# KiCad board IotFan.kicad_pcb (continued)
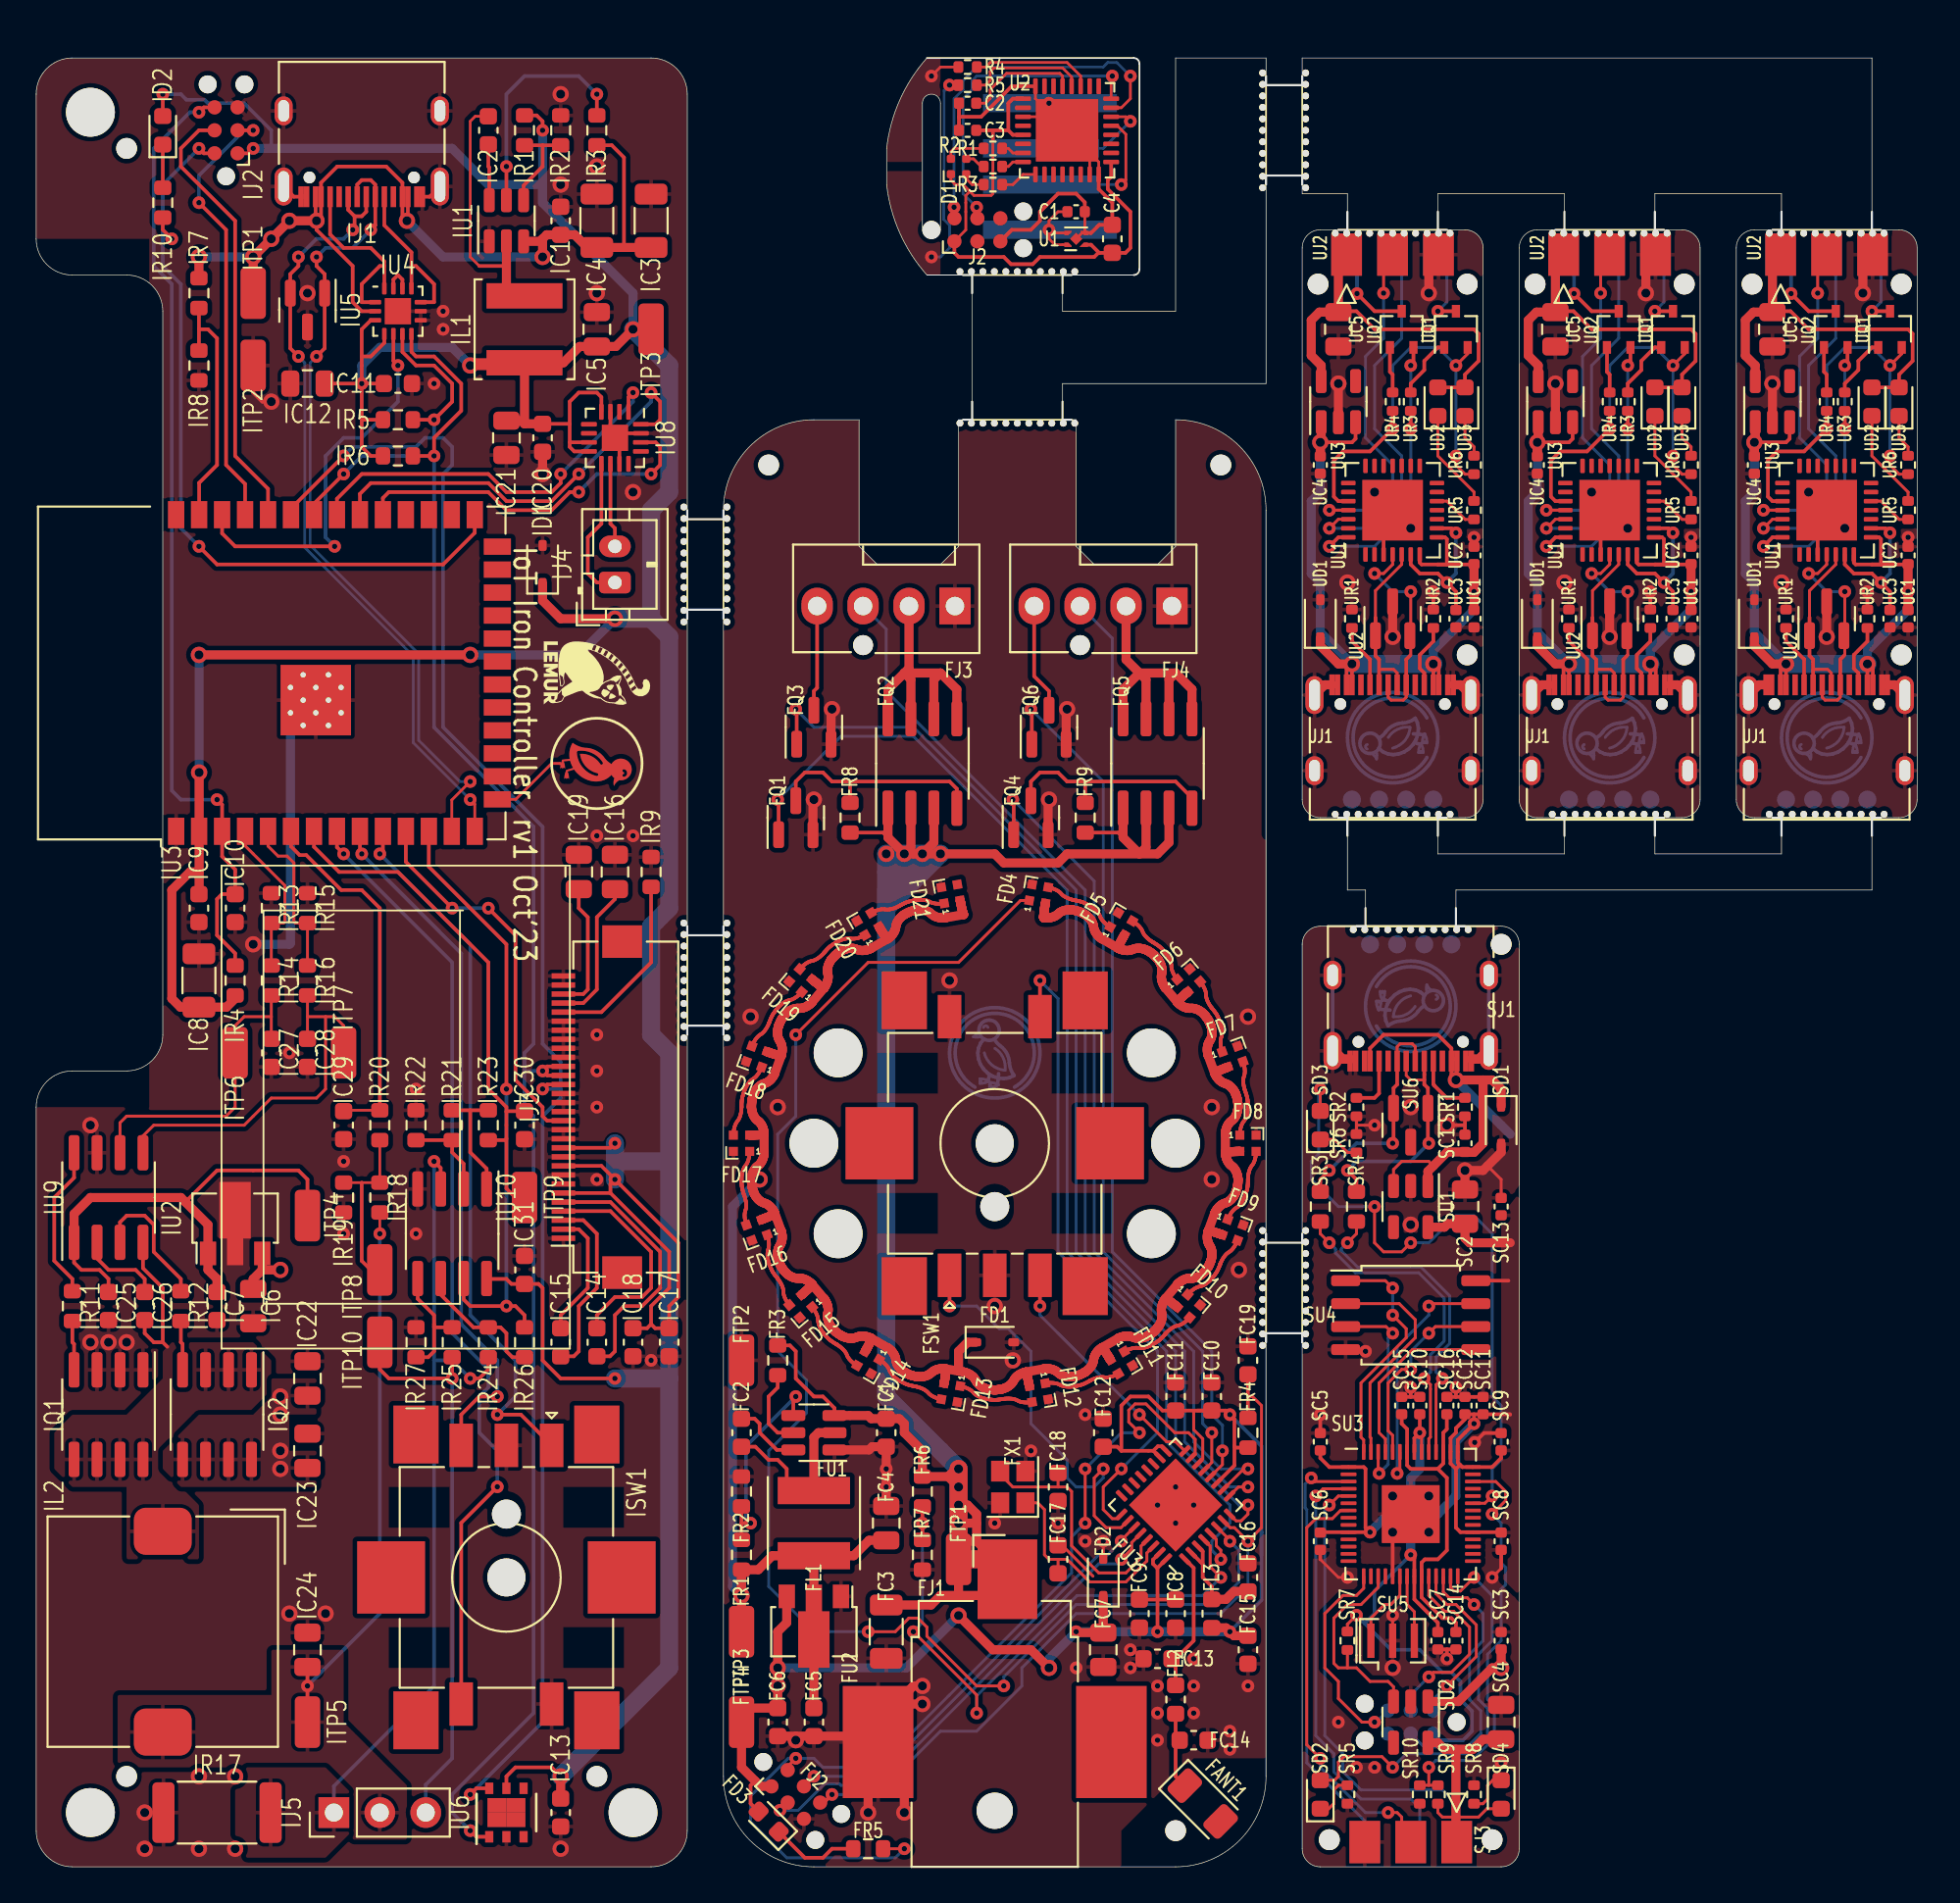
[diagram p0: board, top side]
## Library data of the parts (continued)
UC1 UC1#2 UC1#3 = -: edg_part: CL05A105KA5NQNC (Samsung Electro-Mechanics); edg_path: usbconv.regin_cap0.cap; edg_refdes: UC1; edg_short_path: usbconv.regin_cap0
UC2 UC2#2 UC2#3 = -: edg_part: CL05B104KO5NNNC (Samsung Electro-Mechanics); edg_path: usbconv.regin_cap1.cap; edg_refdes: UC2; edg_short_path: usbconv.regin_cap1
UC3 UC3#2 UC3#3 = -: edg_part: CL05A105KA5NQNC (Samsung Electro-Mechanics); edg_path: usbconv.vdd_cap.cap; edg_refdes: UC3; edg_short_path: usbconv.vdd_cap
UC4 UC4#2 UC4#3 = -: edg_part: CL05A105KA5NQNC (Samsung Electro-Mechanics); edg_path: reg_3v3.in_cap.cap; edg_refdes: UC4; edg_short_path: reg_3v3.in_cap
UC5 UC5#2 UC5#3 = -: edg_part: CL21A475KAQNNNE (Samsung Electro-Mechanics); edg_path: reg_3v3.out_cap.cap; edg_refdes: UC5; edg_short_path: reg_3v3.out_cap
UD1 UD1#2 UD1#3 = -: edg_part: BZT52-B5V6S_R1_00001 (PANJIT International); edg_path: vusb_protect.diode; edg_refdes: UD1; edg_short_path: vusb_protect
UD2 UD2#2 UD2#3 = -: edg_part: C2290 (Hubei KENTO Elec); edg_path: led.package; edg_refdes: UD2; edg_short_path: led.package
UD3 UD3#2 UD3#3 = -: edg_part: KT-0603R (Hubei KENTO Elec); edg_path: led_en.package; edg_refdes: UD3; edg_short_path: led_en.package
UH1 UH1#2 UH1#3 = -: edg_path: jlc_th.th1; edg_refdes: UH1; edg_short_path: jlc_th.th1
UH2 UH2#2 UH2#3 = -: edg_path: jlc_th.th2; edg_refdes: UH2; edg_short_path: jlc_th.th2
UH3 UH3#2 UH3#3 = -: edg_path: jlc_th.th3; edg_refdes: UH3; edg_short_path: jlc_th.th3
UJ1 UJ1#2 UJ1#3 = -: edg_path: usb_uart.conn; edg_refdes: UJ1; edg_short_path: usb_uart.conn
UJ2 UJ2#2 UJ2#3 = -: edg_path: out.conn; edg_refdes: UJ2; edg_short_path: out
UQ1 UQ1#2 UQ1#3 = -: edg_part: BC846BW 1B (CBI); edg_path: auto.q_en; edg_refdes: UQ1; edg_short_path: auto.q_en
UQ2 UQ2#2 UQ2#3 = -: edg_part: BC846BW 1B (CBI); edg_path: auto.q_boot; edg_refdes: UQ2; edg_short_path: auto.q_boot
UR1 UR1#2 UR1#3 = -: edg_part: 0402WGF5101TCE (UNI-ROYAL(Uniroyal Elec)); edg_path: usb_uart.cc_pull.cc1.res; edg_refdes: UR1; edg_short_path: usb_uart.cc_pull.cc1
UR2 UR2#2 UR2#3 = -: edg_part: 0402WGF5101TCE (UNI-ROYAL(Uniroyal Elec)); edg_path: usb_uart.cc_pull.cc2.res; edg_refdes: UR2; edg_short_path: usb_uart.cc_pull.cc2
UR3 UR3#2 UR3#3 = -: edg_part: 0402WGF1002TCE (UNI-ROYAL(Uniroyal Elec)); edg_path: auto.dtr_res; edg_refdes: UR3; edg_short_path: auto.dtr_res
UR4 UR4#2 UR4#3 = -: edg_part: 0402WGF1002TCE (UNI-ROYAL(Uniroyal Elec)); edg_path: auto.rts_res; edg_refdes: UR4; edg_short_path: auto.rts_res
UR5 UR5#2 UR5#3 = -: edg_part: 0402WGF2401TCE (UNI-ROYAL(Uniroyal Elec)); edg_path: led.res; edg_refdes: UR5; edg_short_path: led.res
UR6 UR6#2 UR6#3 = -: edg_part: 0402WGF2401TCE (UNI-ROYAL(Uniroyal Elec)); edg_path: led_en.res; edg_refdes: UR6; edg_short_path: led_en.res
UU1 UU1#2 UU1#3 = -: edg_path: usbconv.ic; edg_refdes: UU1; edg_short_path: usbconv.ic
UU2 UU2#2 UU2#3 = -: edg_path: usb_esd; edg_refdes: UU2; edg_short_path: usb_esd
UU3 UU3#2 UU3#3 = -: edg_path: reg_3v3.ic; edg_refdes: UU3; edg_short_path: reg_3v3.ic
UU4 UU4#2-UU4#5 = -: edg_path: duck; edg_refdes: UU4; edg_short_path: duck
UU5 UU5#2-UU5#6 = -: edg_path: lemur; edg_refdes: UU5; edg_short_path: lemur
UU6 UU6#2-UU6#4 = -: edg_path: id; edg_refdes: UU6; edg_short_path: id

## Footprints (pads in the part's own frame, mm; a bottom-side part is the same pattern mirrored in y, then rotated)
BarrelJack_CUI_PJ-036AH-SMT_Horizontal
  round 2 hole 2 unplated: (0,-7)
  rect 3.3x4.4 smd: 1(0.7,5.8)
  rect 3.9x6.2 smd: 2(-6.45,-3.2) 3(6.45,-3.2)
C_0402_1005Metric
  rrect 0.56x0.62 smd: 1(-0.48,0) 2(0.48,0)
C_0603_1608Metric
  rrect 0.9x0.95 smd: 1(-0.775,0) 2(0.775,0)
C_0805_2012Metric
  rrect 1x1.45 smd: 1(-0.95,0) 2(0.95,0)
C_1206_3216Metric
  rrect 1.15x1.8 smd: 1(-1.475,0) 2(1.475,0)
Crystal_SMD_2520-4Pin_2.5x2.0mm
  rect 1.15x1 smd: 1(-0.875,-0.7) 2(0.875,-0.7) 3(0.875,0.7) 4(-0.875,0.7)
D_1206_3216Metric
  rrect 1.25x1.75 smd: 1(-1.4,0) 2(1.4,0)
D_SOD-323
  rrect 0.6x0.45 smd: 1(-1.05,0) 2(1.05,0)
ESP32-S3-WROOM-1
  rect 0.9x0.9 smd: (-2.9,-1.06) (-2.9,-2.46) (-2.9,-3.86) (-1.5,-1.06) (-1.5,-2.46) (-1.5,-3.86) (-0.1,-1.06) (-0.1,-2.46) (-0.1,-3.86)
  rect 1.5x0.9 smd: 1(-8.75,5.26) 2(-8.75,3.99) 3(-8.75,2.72) 4(-8.75,1.45) 5(-8.75,0.18) 6(-8.75,-1.09) 7(-8.75,-2.36) 8(-8.75,-3.63) 9(-8.75,-4.9) 10(-8.75,-6.17) 11(-8.75,-7.44) 12(-8.75,-8.71) 13(-8.75,-9.98) 14(-8.75,-11.25) 27(8.75,-11.25) 28(8.75,-9.98) 29(8.75,-8.71) 30(8.75,-7.44) 31(8.75,-6.17) 32(8.75,-4.9) 33(8.75,-3.63) 34(8.75,-2.36) 35(8.75,-1.09) 36(8.75,0.18) 37(8.75,1.45) 38(8.75,2.72) 39(8.75,3.99) 40(8.75,5.26)
  rect 0.9x1.5 smd: 15(-6.985,-12.5) 16(-5.715,-12.5) 17(-4.445,-12.5) 18(-3.175,-12.5) 19(-1.905,-12.5) 20(-0.635,-12.5) 21(0.635,-12.5) 22(1.905,-12.5) 23(3.175,-12.5) 24(4.445,-12.5) 25(5.715,-12.5) 26(6.985,-12.5)
  round 0.6 hole 0.3: 41(-2.9,-1.76) 41(-2.9,-3.16) 41(-2.2,-1.06) 41(-2.2,-2.46) 41(-2.2,-3.86) 41(-1.5,-1.76) 41(-1.5,-3.16) 41(-0.8,-1.06) 41(-0.8,-2.46) 41(-0.8,-3.86) 41(-0.1,-1.76) 41(-0.1,-3.16)
  rect 3.9x3.9 smd: 41(-1.5,-2.46)
FanPinHeader_1x04_P2.54mm_Vertical
  round 1.1 hole 1.1 unplated: (5.08,2.16)
  rect 1.73x2.03 hole 1.02: 1(0,0)
  oval 1.73x2.03 hole 1.02: 2(2.54,0) 3(5.08,0) 4(7.62,0)
HalfMouseBites_Recessed
  round 0.38 hole 0.38 unplated: (-3.175,1.19) (-2.54,1.19) (-1.905,1.19) (-1.27,1.19) (-0.635,1.19) (0,1.19) (0.635,1.19) (1.27,1.19) (1.905,1.19) (2.54,1.19) (3.175,1.19)
Hirose_FH12-30S-0.5SH_1x30-1MP_P0.50mm_Horizontal
  rect 0.3x1.3 smd: 1(-7.25,1.85) 2(-6.75,1.85) 3(-6.25,1.85) 4(-5.75,1.85) 5(-5.25,1.85) 6(-4.75,1.85) 7(-4.25,1.85) 8(-3.75,1.85) 9(-3.25,1.85) 10(-2.75,1.85) 11(-2.25,1.85) 12(-1.75,1.85) 13(-1.25,1.85) 14(-0.75,1.85) 15(-0.25,1.85) 16(0.25,1.85) 17(0.75,1.85) 18(1.25,1.85) 19(1.75,1.85) 20(2.25,1.85) 21(2.75,1.85) 22(3.25,1.85) 23(3.75,1.85) 24(4.25,1.85) 25(4.75,1.85) 26(5.25,1.85) 27(5.75,1.85) 28(6.25,1.85) 29(6.75,1.85) 30(7.25,1.85)
  rect 1.8x2.2 smd: MP(-9.15,-1.4) MP(9.15,-1.4)
JlcToolingHole_1.152mm
  round 1.152 hole 1.152 unplated: (0,0)
JST_PH_B2B-PH-K_1x02_P2.00mm_Vertical
  rrect 1.2x1.75 hole 0.75: 1(0,0)
  oval 1.2x1.75 hole 0.75: 2(2,0)
L_0603_1608Metric
  rrect 0.875x0.95 smd: 1(-0.787,0) 2(0.787,0)
L_Sunlord_SWPA5040S
  rect 1.4x4.2 smd: 1(-1.85,0) 2(1.85,0)
L_Taiyo-Yuden_NR-50xx
  rect 1.5x4 smd: 1(-1.8,0) 2(1.8,0)
L_TDK_SLF12565
  rrect 2.6x3.2 smd: 1(-5.55,0) 2(5.55,0)
LED_0603_1608Metric
  rrect 0.875x0.95 smd: 1(-0.787,0) 2(0.787,0)
LED_Lumex_SML-LX0404SIUPGUSB
  rrect 0.45x0.45 smd: 1(-0.425,0.425) 2(0.425,0.425) 3(0.425,-0.425) 4(-0.425,-0.425)
LED_SK6812_EC15_1.5x1.5mm
  rect 0.5x0.5 smd: 1(-0.45,0.45) 2(-0.45,-0.45) 3(0.45,-0.45) 4(0.45,0.45)
LED_SK6812_EC15_1.5x1.5mm#2
  rect 0.5x0.5 smd: 1(-0.45,0.45) 2(-0.45,-0.45) 3(0.45,-0.45) 4(0.45,0.45)
LED_SK6812_EC15_1.5x1.5mm#3
  rect 0.5x0.5 smd: 1(-0.45,0.45) 2(-0.45,-0.45) 3(0.45,-0.45) 4(0.45,0.45)
MountingHole_2.7mm_M2.5
  round 2.7 hole 2.7 unplated: (0,0)
MouseBites_Recessed
  round 0.38 hole 0.38 unplated: (-3.175,1.19) (-3.175,-1.19) (-2.54,1.19) (-2.54,-1.19) (-1.905,1.19) (-1.905,-1.19) (-1.27,1.19) (-1.27,-1.19) (-0.635,1.19) (-0.635,-1.19) (0,1.19) (0,-1.19) (0.635,1.19) (0.635,-1.19) (1.27,1.19) (1.27,-1.19) (1.905,1.19) (1.905,-1.19) (2.54,1.19) (2.54,-1.19) (3.175,1.19) (3.175,-1.19)
PinHeader_1x03_P2.54mm_Vertical
  rect 1.7x1.7 hole 1: 1(0,0)
  oval 1.7x1.7 hole 1: 2(0,-2.54) 3(0,-5.08)
PinHeader_2x03_P2.54mm_EdgeInline
  rect 2.34x1.7 smd: 1(-1.37,2.54) 3(-1.37,0) 5(-1.37,-2.54)
  rect 2.34x1.7 smd far side: 2(-1.37,2.54) 4(-1.37,0) 6(-1.37,-2.54)
QFN-16-1EP_3x3mm_P0.5mm_EP1.45x1.45mm
  rrect 0.58x0.58 smd: (-0.36,0.36) (-0.36,-0.36) (0.36,0.36) (0.36,-0.36)
  rrect 0.875x0.25 smd: 1(-1.438,0.75) 2(-1.438,0.25) 3(-1.438,-0.25) 4(-1.438,-0.75) 9(1.438,-0.75) 10(1.438,-0.25) 11(1.438,0.25) 12(1.438,0.75)
  rrect 0.25x0.875 smd: 5(-0.75,-1.438) 6(-0.25,-1.438) 7(0.25,-1.438) 8(0.75,-1.438) 13(0.75,1.438) 14(0.25,1.438) 15(-0.25,1.438) 16(-0.75,1.438)
  rect 1.45x1.45 smd: 17(0,0)
QFN-28-1EP_5x5mm_P0.5mm_EP3.35x3.35mm
  rrect 0.9x0.9 smd: (-1.12,1.12) (-1.12,0) (-1.12,-1.12) (0,1.12) (0,0) (0,-1.12) (1.12,1.12) (1.12,0) (1.12,-1.12)
  rrect 0.8x0.25 smd: 1(-2.45,1.5) 2(-2.45,1) 3(-2.45,0.5) 4(-2.45,0) 5(-2.45,-0.5) 6(-2.45,-1) 7(-2.45,-1.5) 15(2.45,-1.5) 16(2.45,-1) 17(2.45,-0.5) 18(2.45,0) 19(2.45,0.5) 20(2.45,1) 21(2.45,1.5)
  rrect 0.25x0.8 smd: 8(-1.5,-2.45) 9(-1,-2.45) 10(-0.5,-2.45) 11(0,-2.45) 12(0.5,-2.45) 13(1,-2.45) 14(1.5,-2.45) 22(1.5,2.45) 23(1,2.45) 24(0.5,2.45) 25(0,2.45) 26(-0.5,2.45) 27(-1,2.45) 28(-1.5,2.45)
  rect 3.35x3.35 smd: 29(0,0)
QFN-32-1EP_5x5mm_P0.5mm_EP3.45x3.45mm
  rrect 0.93x0.93 smd: (-1.15,1.15) (-1.15,0) (-1.15,-1.15) (0,1.15) (0,0) (0,-1.15) (1.15,1.15) (1.15,0) (1.15,-1.15)
  rrect 0.875x0.25 smd: 1(-2.438,1.75) 2(-2.438,1.25) 3(-2.438,0.75) 4(-2.438,0.25) 5(-2.438,-0.25) 6(-2.438,-0.75) 7(-2.438,-1.25) 8(-2.438,-1.75) 17(2.438,-1.75) 18(2.438,-1.25) 19(2.438,-0.75) 20(2.438,-0.25) 21(2.438,0.25) 22(2.438,0.75) 23(2.438,1.25) 24(2.438,1.75)
  rrect 0.25x0.875 smd: 9(-1.75,-2.438) 10(-1.25,-2.438) 11(-0.75,-2.438) 12(-0.25,-2.438) 13(0.25,-2.438) 14(0.75,-2.438) 15(1.25,-2.438) 16(1.75,-2.438) 25(1.75,2.438) 26(1.25,2.438) 27(0.75,2.438) 28(0.25,2.438) 29(-0.25,2.438) 30(-0.75,2.438) 31(-1.25,2.438) 32(-1.75,2.438)
  rect 3.45x3.45 smd: 33(0,0)
QFN-32-1EP_5x5mm_P0.5mm_EP3.65x3.65mm
  rrect 0.98x0.98 smd: (-1.22,1.22) (-1.22,0) (-1.22,-1.22) (0,1.22) (0,0) (0,-1.22) (1.22,1.22) (1.22,0) (1.22,-1.22)
  rrect 0.75x0.25 smd: 1(-2.475,1.75) 2(-2.475,1.25) 3(-2.475,0.75) 4(-2.475,0.25) 5(-2.475,-0.25) 6(-2.475,-0.75) 7(-2.475,-1.25) 8(-2.475,-1.75) 17(2.475,-1.75) 18(2.475,-1.25) 19(2.475,-0.75) 20(2.475,-0.25) 21(2.475,0.25) 22(2.475,0.75) 23(2.475,1.25) 24(2.475,1.75)
  rrect 0.25x0.75 smd: 9(-1.75,-2.475) 10(-1.25,-2.475) 11(-0.75,-2.475) 12(-0.25,-2.475) 13(0.25,-2.475) 14(0.75,-2.475) 15(1.25,-2.475) 16(1.75,-2.475) 25(1.75,2.475) 26(1.25,2.475) 27(0.75,2.475) 28(0.25,2.475) 29(-0.25,2.475) 30(-0.75,2.475) 31(-1.25,2.475) 32(-1.75,2.475)
  rect 3.65x3.65 smd: 33(0,0)
QFN-56-1EP_7x7mm_P0.4mm_EP3.2x3.2mm
  rrect 1.29x1.29 smd: (-0.8,0.8) (-0.8,-0.8) (0.8,0.8) (0.8,-0.8)
  rrect 0.875x0.2 smd: 1(-3.438,2.6) 2(-3.438,2.2) 3(-3.438,1.8) 4(-3.438,1.4) 5(-3.438,1) 6(-3.438,0.6) 7(-3.438,0.2) 8(-3.438,-0.2) 9(-3.438,-0.6) 10(-3.438,-1) 11(-3.438,-1.4) 12(-3.438,-1.8) 13(-3.438,-2.2) 14(-3.438,-2.6) 29(3.438,-2.6) 30(3.438,-2.2) 31(3.438,-1.8) 32(3.438,-1.4) 33(3.438,-1) 34(3.438,-0.6) 35(3.438,-0.2) 36(3.438,0.2) 37(3.438,0.6) 38(3.438,1) 39(3.438,1.4) 40(3.438,1.8) 41(3.438,2.2) 42(3.438,2.6)
  rrect 0.2x0.875 smd: 15(-2.6,-3.438) 16(-2.2,-3.438) 17(-1.8,-3.438) 18(-1.4,-3.438) 19(-1,-3.438) 20(-0.6,-3.438) 21(-0.2,-3.438) 22(0.2,-3.438) 23(0.6,-3.438) 24(1,-3.438) 25(1.4,-3.438) 26(1.8,-3.438) 27(2.2,-3.438) 28(2.6,-3.438) 43(2.6,3.438) 44(2.2,3.438) 45(1.8,3.438) 46(1.4,3.438) 47(1,3.438) 48(0.6,3.438) 49(0.2,3.438) 50(-0.2,3.438) 51(-0.6,3.438) 52(-1,3.438) 53(-1.4,3.438) 54(-1.8,3.438) 55(-2.2,3.438) 56(-2.6,3.438)
  rect 3.2x3.2 smd: 57(0,0)
R_0402_1005Metric
  rrect 0.54x0.64 smd: 1(-0.51,0) 2(0.51,0)
R_0603_1608Metric
  rrect 0.8x0.95 smd: 1(-0.825,0) 2(0.825,0)
R_2512_6332Metric
  rrect 1.225x3.35 smd: 1(-2.962,0) 2(2.962,0)
Resonator_SMD_Murata_CSTxExxV-3Pin_3.0x1.1mm
  rect 0.4x1.9 smd: 1(-1.2,0) 2(0,0) 3(1.2,0)
RotaryEncoder_Alps_EC11J15-Switch
  round 1.6 hole 2x1.6 unplated: (-3.5,0)
  round 2.1 hole 2.1 unplated: (0,0)
  rect 2.4x1.3 smd: A(-7.3,2.5) B(-7.3,-2.5) C(-7.3,0) S1(7,-2.5) S2(7,2.5)
  rect 3.2x2.5 smd: MP(-7.9,5) MP(-7.9,-5) MP(7.9,5) MP(7.9,-5)
  rect 4x3.75 smd: MP(0,6.375) MP(0,-6.375)
SOIC-8_3.9x4.9mm_P1.27mm
  rrect 1.95x0.6 smd: 1(-2.475,1.905) 2(-2.475,0.635) 3(-2.475,-0.635) 4(-2.475,-1.905) 5(2.475,-1.905) 6(2.475,-0.635) 7(2.475,0.635) 8(2.475,1.905)
SOIC-8_5.23x5.23mm_P1.27mm
  rrect 1.6x0.6 smd: 1(-3.6,1.905) 2(-3.6,0.635) 3(-3.6,-0.635) 4(-3.6,-1.905) 5(3.6,-1.905) 6(3.6,-0.635) 7(3.6,0.635) 8(3.6,1.905)
SOT-23
  rrect 1.475x0.6 smd: 1(-0.938,0.95) 2(-0.938,-0.95) 3(0.938,0)
SOT-23-5
  rrect 1.325x0.6 smd: 1(-1.137,0.95) 2(-1.137,0) 3(-1.137,-0.95) 4(1.137,-0.95) 5(1.137,0.95)
SOT-23-6
  rrect 1.325x0.6 smd: 1(-1.137,0.95) 2(-1.137,0) 3(-1.137,-0.95) 4(1.137,-0.95) 5(1.137,0) 6(1.137,0.95)
SOT-89-3
  rect 1.3x0.9 smd: 1(-1.95,1.5) 3(-1.95,-1.5)
  custom 4.6x1.733 smd: 2(-1.863,0)
SOT-323_SC-70
  rect 0.7x0.45 smd: 1(-1,0.65) 2(-1,-0.65) 3(1,0)
Symbol_DucklingSolid
  custom 2.401x3.952 smd: (0.333,1.928)
Tag-Connect_TC2030-IDC-NL_2x03_P1.27mm_Vertical
  round 0.991 hole 0.991 unplated: (-2.54,0) (2.54,1.016) (2.54,-1.016)
  round 0.787 smd: 1(-1.27,-0.635) 2(-1.27,0.635) 3(0,-0.635) 4(0,0.635) 5(1.27,-0.635) 6(1.27,0.635)
TestPoint_TE_RCT_0805
  rrect 2.85x1.4 smd: 1(0,0)
UDFN-4-1EP_1x1mm_P0.65mm_EP0.48x0.48mm
  custom 0.47x0.25 smd: 1(-0.54,0.325)
  custom 0.4x0.25 smd: 2(-0.54,-0.325) 3(0.54,-0.325) 4(0.54,0.325)
  rect 0.48x0.48 smd rot 45: 5(0,0)
USB_A_Pads
  rect 1x7.41 smd: 1(-3.5,-4.945) 4(3.5,-4.945)
  rect 1x6.41 smd: 2(-1,-5.445) 3(1,-5.445)
USB_C_Receptacle_XKB_U262-16XN-4BVC11
  round 0.65 hole 0.65 unplated: (-2.89,2.605) (2.89,2.605)
  rect 0.3x1.15 smd: A1(-3.35,3.67) A4(-2.55,3.67) A5(-1.25,3.67) A6(-0.25,3.67) A7(0.25,3.67) A8(1.25,3.67) A9(2.55,3.67) A12(3.35,3.67) B1(3.05,3.67) B4(2.25,3.67) B5(1.75,3.67) B6(0.75,3.67) B7(-0.75,3.67) B8(-1.75,3.67) B9(-2.25,3.67) B12(-3.05,3.67)
  oval 1x2.1 hole 0.6x1.7: S1(-4.32,3.105) S1(4.32,3.105)
  oval 1x1.6 hole 0.6x1.2: S1(-4.32,-1.075) S1(4.32,-1.075)
WQFN-14-1EP_2.5x2.5mm_P0.5mm_EP1.45x1.45mm
  rrect 0.58x0.58 smd: (-0.36,0.36) (-0.36,-0.36) (0.36,0.36) (0.36,-0.36)
  rrect 0.675x0.25 smd: 1(-1.262,0.5) 2(-1.262,0) 3(-1.262,-0.5) 8(1.262,-0.5) 9(1.262,0) 10(1.262,0.5)
  rrect 0.25x0.675 smd: 4(-0.75,-1.262) 5(-0.25,-1.262) 6(0.25,-1.262) 7(0.75,-1.262) 11(0.75,1.262) 12(0.25,1.262) 13(-0.25,1.262) 14(-0.75,1.262)
  rect 1.45x1.45 smd: 15(0,0)
WSON-6-1EP_3x3mm_P0.95mm
  rect 0.63x0.45 smd: 1(-1.34,0.95) 2(-1.34,0) 3(-1.34,-0.95) 4(1.34,-0.95) 5(1.34,0) 6(1.34,0.95)
  rect 0.8x1.05 smd: 7(-0.4,0.525) 7(-0.4,-0.525) 7(0.4,0.525) 7(0.4,-0.525)

## Nets
gnd: C1.2 C2.2 C3.2 C4.2 J1.4 J2.5 U1.2 U1.5 U2.3 U2.15 U2.16 U2.32 U2.33
Sgnd: SC1.2 SC2.2 SC3.2 SC4.2 SC5.2 SC6.2 SC7.2 SC8.2 SC9.2 SC10.2 SC11.2 SC12.2 SC13.2 SC14.2 SC15.2 SC16.2 SD1.2 SJ1.A1 SJ1.A12 SJ1.B1 SJ1.B12 SJ1.S1 SJ2.5 SJ3.5 SR1.1 SR2.1 SR5.2 SR6.2 SR8.2 SR10.2 SU1.2 SU2.2 SU3.19 SU3.57 SU4.4 SU5.2 SU6.3
Sv3v3: SC2.1 SC5.1 SC6.1 SC7.1 SC8.1 SC9.1 SC10.1 SC11.1 SC12.1 SC13.1 SJ2.1 SR7.1 SU1.5 SU3.1 SU3.10 SU3.22 SU3.33 SU3.42 SU3.43 SU3.44 SU3.48 SU3.49 SU4.8
v3v3: C3.1 C4.1 D1.1 J2.1 U1.1 U2.1 U2.5 U2.17
Fenc.a: FSW1.A FU3.26
Fenc.b: FSW1.B FU3.16
Fenc.sw: FSW1.S1 FU3.25
Ffan[0].sense: FJ3.3 FU3.9
Ffan[1].sense: FJ4.3 FU3.12
Ffan_ctl[0].control: FQ3.1 FU3.8
Ffan_ctl[0].output: FJ3.4 FQ3.3
Ffan_ctl[1].control: FQ6.1 FU3.13
Ffan_ctl[1].output: FJ4.4 FQ6.3
Ffan_drv[0].control: FQ1.1 FU3.5
Ffan_drv[0].output: FJ3.2 FQ2.5 FQ2.6 FQ2.7 FQ2.8
Ffan_drv[0].pre.drain: FQ1.3 FQ2.4 FR8.2
Ffan_drv[1].control: FQ4.1 FU3.10
Ffan_drv[1].output: FJ4.2 FQ5.5 FQ5.6 FQ5.7 FQ5.8
Ffan_drv[1].pre.drain: FQ4.3 FQ5.4 FR9.2
Fgnd: FC1.2 FC3.2 FC4.2 FC5.2 FC6.2 FC7.2 FC8.2 FC9.2 FC10.2 FC11.2 FC12.2 FC13.2 FC14.2 FC15.2 FC16.2 FC17.2 FC18.2 FC19.2 FD1.2 FD2.2 FD4.4 FD5.4 FD6.4 FD7.4 FD8.4 FD9.4 FD10.4 FD11.4 FD12.4 FD13.4 FD14.4 FD15.4 FD16.4 FD17.4 FD18.4 FD19.4 FD20.4 FD21.4 FJ1.2 FJ2.5 FJ3.1 FJ4.1 FQ1.2 FQ3.2 FQ4.2 FQ6.2 FR2.2 FR7.2 FSW1.C FSW1.S2 FTP2.1 FU1.1 FU2.1 FU3.33 FX1.2 FX1.4
Fledr.res.a: FD3.1 FR5.1
Fmcu.ic.lna_in: FC13.1 FL2.1 FU3.1
Fmcu.ic.vdd3p3: FC16.1 FL3.2 FU3.2 FU3.3
Fmcu.pi.output: FANT1.1 FC14.1 FL2.2
Fmcu.program_boot_node: FJ2.2 FR5.2 FU3.15
Fmcu.program_en_node: FC19.1 FJ2.6 FR4.2 FU3.7
Fmcu.program_uart_node.a_tx: FJ2.3 FU3.28
Fmcu.program_uart_node.b_tx: FJ2.4 FU3.27
Fmcu.xtal_node.driver.xtal_in: FC17.1 FU3.30 FX1.1
Fmcu.xtal_node.driver.xtal_out: FC18.1 FU3.29 FX1.3
Freg_5v.boot_cap.neg: FC2.2 FL1.1 FU1.2
Freg_5v.boot_cap.pos: FC2.1 FU1.6
Freg_5v.en_res.b: FR3.2 FU1.5
Freg_5v.fb.output: FR1.2 FR2.1 FU1.4
Frgb_ring.din: FD4.1 FU3.6
Frgb_ring.dout: FD21.3
Frgb_ring.led[0].dout: FD4.3 FD5.1
Frgb_ring.led[1].dout: FD5.3 FD6.1
Frgb_ring.led[2].dout: FD6.3 FD7.1
Frgb_ring.led[3].dout: FD7.3 FD8.1
Frgb_ring.led[4].dout: FD8.3 FD9.1
Frgb_ring.led[5].dout: FD9.3 FD10.1
Frgb_ring.led[6].dout: FD10.3 FD11.1
Frgb_ring.led[7].dout: FD11.3 FD12.1
Frgb_ring.led[8].dout: FD12.3 FD13.1
Frgb_ring.led[9].dout: FD13.3 FD14.1
Frgb_ring.led[10].dout: FD14.3 FD15.1
Frgb_ring.led[11].dout: FD15.3 FD16.1
Frgb_ring.led[12].dout: FD16.3 FD17.1
Frgb_ring.led[13].dout: FD17.3 FD18.1
Frgb_ring.led[14].dout: FD18.3 FD19.1
Frgb_ring.led[15].dout: FD19.3 FD20.1
Frgb_ring.led[16].dout: FD20.3 FD21.1
Fv3v3: FC6.1 FC7.1 FC8.1 FC9.1 FC10.1 FC11.1 FC12.1 FC15.1 FD2.1 FD3.2 FJ2.1 FL3.1 FR4.1 FTP4.1 FU2.3 FU3.11 FU3.14 FU3.17 FU3.18 FU3.31 FU3.32
Fv5: FC4.1 FC5.1 FD1.1 FD4.2 FD5.2 FD6.2 FD7.2 FD8.2 FD9.2 FD10.2 FD11.2 FD12.2 FD13.2 FD14.2 FD15.2 FD16.2 FD17.2 FD18.2 FD19.2 FD20.2 FD21.2 FL1.2 FR1.1 FTP3.1 FU2.2
Fv12: FC1.1 FC3.1 FJ1.1 FQ2.1 FQ2.2 FQ2.3 FQ5.1 FQ5.2 FQ5.3 FR3.1 FR6.1 FR8.1 FR9.1 FTP1.1 FU1.3
Fv12_sense.output: FR6.2 FR7.1 FU3.4
Iconv.sw.driver.ic.hb: IC26.1 IU9.2
Iconv.sw.high_gate_res.a: IR12.1 IU9.3
Iconv.sw.high_gate_res.b: IQ2.4 IR12.2
Iconv.sw.low_gate_res.a: IR11.1 IU9.8
Iconv.sw.low_gate_res.b: IQ1.4 IR11.2
Iconv.sw.out: IC26.2 IL2.1 IQ1.5 IQ1.6 IQ1.7 IQ1.8 IQ2.1 IQ2.2 IQ2.3 IU9.4
Iconv_out: IC24.1 IJ5.2 IL2.2 IR18.1 ITP5.1
Ienc.a: ISW1.A IU3.10
Ienc.b: ISW1.B IU3.9
Ienc.sw: ISW1.S1 IU3.8
Ignd: IC1.2 IC3.2 IC4.2 IC5.2 IC6.2 IC7.2 IC8.2 IC9.2 IC10.2 IC11.2 IC12.2 IC13.2 IC16.2 IC17.2 IC18.2 IC19.2 IC20.2 IC21.2 IC22.2 IC23.2 IC24.2 IC25.2 IC27.2 IC28.2 IC29.2 IC30.2 IC31.2 ID1.2 IJ1.A1 IJ1.A12 IJ1.B1 IJ1.B12 IJ1.S1 IJ2.5 IJ3.1 IJ3.8 IJ3.10 IJ3.12 IJ3.13 IJ3.15 IJ3.16 IJ3.17 IJ3.21 IJ3.22 IJ3.23 IJ3.24 IJ3.25 IJ3.29 IJ3.30 IQ1.1 IQ1.2 IQ1.3 IR2.2 IR8.2 IR9.2 IR13.1 IR15.1 IR17.1 IR19.2 IR22.2 IR27.1 ISW1.C ISW1.S2 ITP2.1 IU1.1 IU2.2 IU3.1 IU3.40 IU3.41 IU4.8 IU4.9 IU4.15 IU5.3 IU6.2 IU8.3 IU8.11 IU8.15 IU8.17 IU9.7 IU10.4
Ihigh_pull.io: IR15.2 IR16.1 IU3.5
Ihigh_rc.output: IC28.1 IR16.2 ITP7.1 IU9.5
Ii2c_pull.i2c.scl: IJ3.18 IR5.2 IU3.35 IU4.6 IU6.6
Ii2c_pull.i2c.sda: IJ3.19 IJ3.20 IR6.2 IU3.34 IU4.7 IU6.1
Iifilt.output: IR21.1 IR23.1 IU10.1
Iisense.pwr_out: IJ5.1 IR17.2 IR24.1 IU10.3
Iledr.res.a: ID2.1 IR10.1
Ilow_pull.io: IR13.2 IR14.1 IU3.4
Ilow_rc.output: IC27.1 IR14.2 ITP6.1 IU9.6
Imcu.program_boot_node: IJ2.2 IR10.2 IU3.27
Imcu.program_en_node: IC10.1 IJ2.6 IR4.2 IU3.3
Imcu.program_uart_node.a_tx: IJ2.3 IU3.37
Imcu.program_uart_node.b_tx: IJ2.4 IU3.36
Ioled.c1_cap.neg: IC14.2 IJ3.5
Ioled.c1_cap.pos: IC14.1 IJ3.4
Ioled.c2_cap.neg: IC15.2 IJ3.3
Ioled.c2_cap.pos: IC15.1 IJ3.2
Ioled.device.vcc: IC19.1 IJ3.28
Ioled.device.vcomh: IC16.1 IJ3.27
Ioled.iref_res.a: IJ3.26 IR9.1
Ioled.reset: IJ3.14 IU3.11
Ipacked_opamp.inn.0: IR21.2 IR22.1 IU10.2
Ipacked_opamp.inn.1: IR24.2 IR26.2 IU10.6
Ipacked_opamp.inp.1: IR25.2 IR27.2 IU10.5
Ipd.ic.vconn: IU4.12 IU4.13
Ipd.int: IU3.38 IU4.5
Ireg_3v3.boot_cap.neg: IC2.2 IL1.1 IU1.2
Ireg_3v3.boot_cap.pos: IC2.1 IU1.6
Ireg_3v3.en_res.b: IR3.2 IU1.5
Ireg_3v3.fb.output: IR1.2 IR2.1 IU1.4
Ispk_drv.i2s.sck: IU3.32 IU8.16
Ispk_drv.i2s.sd: IU3.33 IU8.1
Ispk_drv.i2s.ws: IU3.31 IU8.14
Ispk_drv.out.a: IJ4.1 IU8.9
Ispk_drv.out.b: IJ4.2 IU8.10
Itamp.input_positive: IJ5.3 IR25.1 ITP10.1
Itamp.output: IR26.1 IU3.12 IU10.7
Itouch_0: IU3.15 svg2mod.
Itp_i.output: IC30.1 IR23.2 ITP9.1 IU3.7
Iusb.A5: IJ1.A5 IU4.10 IU4.11
Iusb.B5: IJ1.B5 IU4.1 IU4.14
Iusb_chain_0.d_N: IJ1.A7 IJ1.B7 IU3.13 IU5.1
Iusb_chain_0.d_P: IJ1.A6 IJ1.B6 IU3.14 IU5.2
Iv3v3: IC5.1 IC8.1 IC9.1 IC11.1 IC12.1 IC13.1 IC17.1 IC18.1 IC20.1 IC21.1 IC31.1 ID1.1 ID2.2 IJ2.1 IJ3.6 IJ3.9 IJ3.11 IL1.2 IR1.1 IR4.1 IR5.1 IR6.1 ITP3.1 IU3.2 IU4.3 IU4.4 IU6.5 IU8.4 IU8.7 IU8.8 IU10.8
Ivfilt.output: IC29.1 IR20.2 IU3.6
Ivgate: IC7.1 IC25.1 ITP4.1 IU2.1 IU9.1
Ivsense.output: IR18.2 IR19.1 IR20.1 ITP8.1
Ivusb: IC1.1 IC3.1 IC4.1 IC6.1 IC22.1 IC23.1 IJ1.A4 IJ1.A9 IJ1.B4 IJ1.B9 IQ2.5 IQ2.6 IQ2.7 IQ2.8 IR3.1 IR7.1 ITP1.1 IU1.3 IU2.3 IU4.2
Ivusb_sense.output: IR7.2 IR8.1 IU3.39
mcu.ic.nrst: U2.4
mcu.swd.reset: J2.3
mcu.swd.swo: J2.6
mcu.swd_node.swclk: J2.4 U2.24
mcu.swd_node.swdio: J2.2 U2.23
rgb.blue_res.a: D1.4 R3.1
rgb.green_res.a: D1.3 R2.1
rgb.red_res.a: D1.2 R1.1
rgb.signals.blue: R3.2 U2.9
rgb.signals.green: R2.2 U2.8
rgb.signals.red: R1.2 U2.7
Sen_pull.io: SR7.2 SU2.3 SU3.17
Sled_target.res.a: SD4.1 SR8.1
Sled_tgt.res.a: SD2.1 SR5.1
Sled_tgt.signal: SD2.2 SU3.27
Sled_usb.res.a: SD3.1 SR6.1
Sled_usb.signal: SD3.2 SU3.37
Smcu.ic.qspi.miso: SU3.55 SU4.2
Smcu.ic.qspi.mosi: SU3.53 SU4.5
Smcu.ic.qspi.sck: SU3.52 SU4.6
Smcu.ic.qspi_cs: SU3.56 SU4.1
Smcu.ic.qspi_sd2: SU3.54 SU4.3
Smcu.ic.qspi_sd3: SU3.51 SU4.7
Smcu.ic.vreg_vout: SC14.1 SC15.1 SC16.1 SU3.23 SU3.45 SU3.50
Smcu.reset_node: SJ2.3 SU3.26
Smcu.swd.swo: SJ2.6 SU3.15
Smcu.swd_node.swclk: SJ2.4 SU3.24
Smcu.swd_node.swdio: SJ2.2 SU3.25
Smcu.usb_chain_0.d_N: SR4.1 SU3.46
Smcu.usb_chain_0.d_P: SR3.1 SU3.47
Smcu.xtal_node.driver.xtal_in: SU3.20 SU5.1
Smcu.xtal_node.driver.xtal_out: SU3.21 SU5.3
Starget.reset: SJ3.3 SU3.7
Starget.swo: SJ3.6 SU3.3
Starget_drv.swclk: SJ3.4 SU3.4
Starget_drv.swdio: SJ3.2 SU3.5
Starget_sense.output: SR9.2 SR10.1 SU3.40
Susb.conn.A5: SJ1.A5 SR1.2
Susb.conn.B5: SJ1.B5 SR2.2
Susb_chain_0.d_N: SJ1.A7 SJ1.B7 SR4.2 SU6.1
Susb_chain_0.d_P: SJ1.A6 SJ1.B6 SR3.2 SU6.2
Svtarget: SC4.1 SD4.2 SJ3.1 SR9.1 SU2.5
Svusb: SC1.1 SC3.1 SD1.1 SJ1.A4 SJ1.A9 SJ1.B4 SJ1.B9 SU1.1 SU1.3 SU2.1
ts1.b: R4.2
ts1.io: R4.1 U2.27
ts2.b: R5.2
ts2.io: R5.1 U2.28
tss.io: C2.1 U2.29
Uauto.boot: UJ2.2 UJ2#2.2 UJ2#3.2 UQ2.3 UQ2#2.3 UQ2#3.3
Uauto.dtr_res.b: UQ1.1 UQ1#2.1 UQ1#3.1 UR3.2 UR3#2.2 UR3#3.2
Uauto.en: UJ2.6 UJ2#2.6 UJ2#3.6 UQ1.3 UQ1#2.3 UQ1#3.3
Uauto.rts_res.b: UQ2.1 UQ2#2.1 UQ2#3.1 UR4.2 UR4#2.2 UR4#3.2
Ugnd: UC1.2 UC1#2.2 UC1#3.2 UC2.2 UC2#2.2 UC2#3.2 UC3.2 UC3#2.2 UC3#3.2 UC4.2 UC4#2.2 UC4#3.2 UC5.2 UC5#2.2 UC5#3.2 UD1.2 UD1#2.2 UD1#3.2 UJ1.A1 UJ1.A12 UJ1.B1 UJ1.B12 UJ1.S1 UJ1#2.A1 UJ1#2.A12 UJ1#2.B1 UJ1#2.B12 UJ1#2.S1 UJ1#3.A1 UJ1#3.A12 UJ1#3.B1 UJ1#3.B12 UJ1#3.S1 UJ2.5 UJ2#2.5 UJ2#3.5 UR1.1 UR1#2.1 UR1#3.1 UR2.1 UR2#2.1 UR2#3.1 UU1.3 UU1.29 UU1#2.3 UU1#2.29 UU1#3.3 UU1#3.29 UU2.3 UU2#2.3 UU2#3.3 UU3.2 UU3#2.2 UU3#3.2
Uled.res.a: UD2.1 UD2#2.1 UD2#3.1 UR5.1 UR5#2.1 UR5#3.1
Uled_en.res.a: UD3.1 UD3#2.1 UD3#3.1 UR6.1 UR6#2.1 UR6#3.1
usb.pwr: C1.1 J1.1 U1.3 U1.4
usb.usb.dm: J1.2 U2.21
usb.usb.dp: J1.3 U2.22
Uusb_chain_0.d_N: UJ1.A7 UJ1.B7 UJ1#2.A7 UJ1#2.B7 UJ1#3.A7 UJ1#3.B7 UU1.5 UU1#2.5 UU1#3.5 UU2.1 UU2#2.1 UU2#3.1
Uusb_chain_0.d_P: UJ1.A6 UJ1.B6 UJ1#2.A6 UJ1#2.B6 UJ1#3.A6 UJ1#3.B6 UU1.4 UU1#2.4 UU1#3.4 UU2.2 UU2#2.2 UU2#3.2
Uusb_uart.conn.A5: UJ1.A5 UJ1#2.A5 UJ1#3.A5 UR1.2 UR1#2.2 UR1#3.2
Uusb_uart.conn.B5: UJ1.B5 UJ1#2.B5 UJ1#3.B5 UR2.2 UR2#2.2 UR2#3.2
Uusbconv.cts: UU1.23 UU1#2.23 UU1#3.23
Uusbconv.dcd: UU1.1 UU1#2.1 UU1#3.1
Uusbconv.dsr: UU1.27 UU1#2.27 UU1#3.27
Uusbconv.dtr: UQ2.2 UQ2#2.2 UQ2#3.2 UR3.1 UR3#2.1 UR3#3.1 UU1.28 UU1#2.28 UU1#3.28
Uusbconv.ic.vdd: UC3.1 UC3#2.1 UC3#3.1 UU1.6 UU1.9 UU1#2.6 UU1#2.9 UU1#3.6 UU1#3.9
Uusbconv.nsuspend: UU1.11 UU1#2.11 UU1#3.11
Uusbconv.ri: UU1.2 UU1#2.2 UU1#3.2
Uusbconv.rts: UQ1.2 UQ1#2.2 UQ1#3.2 UR4.1 UR4#2.1 UR4#3.1 UR6.2 UR6#2.2 UR6#3.2 UU1.24 UU1#2.24 UU1#3.24
Uusbconv.suspend: UR5.2 UR5#2.2 UR5#3.2 UU1.12 UU1#2.12 UU1#3.12
Uusbconv.uart.rx: UJ2.3 UJ2#2.3 UJ2#3.3 UU1.25 UU1#2.25 UU1#3.25
Uusbconv.uart.tx: UJ2.4 UJ2#2.4 UJ2#3.4 UU1.26 UU1#2.26 UU1#3.26
Uv3v3: UC5.1 UC5#2.1 UC5#3.1 UD2.2 UD2#2.2 UD2#3.2 UD3.2 UD3#2.2 UD3#3.2 UJ2.1 UJ2#2.1 UJ2#3.1 UU3.5 UU3#2.5 UU3#3.5
Uvusb: UC1.1 UC1#2.1 UC1#3.1 UC2.1 UC2#2.1 UC2#3.1 UC4.1 UC4#2.1 UC4#3.1 UD1.1 UD1#2.1 UD1#3.1 UJ1.A4 UJ1.A9 UJ1.B4 UJ1.B9 UJ1#2.A4 UJ1#2.A9 UJ1#2.B4 UJ1#2.B9 UJ1#3.A4 UJ1#3.A9 UJ1#3.B4 UJ1#3.B9 UU1.7 UU1.8 UU1#2.7 UU1#2.8 UU1#3.7 UU1#3.8 UU3.1 UU3.3 UU3#2.1 UU3#2.3 UU3#3.1 UU3#3.3

Pads without a net: FANT1 2; FJ1 3; FSW1 MP; FU3 19 20 21 22 23 24; IJ1 A8 B8; IJ3 7 MP; ISW1 MP; IU3 16 17 18 19 20 21 22 23 24 25 26 28 29 30; IU6 3 4 7; IU8 2 5 6 12 13; SJ1 A8 B8; SU1 4; SU2 4; SU3 2 6 8 9 11 12 13 14 16 18 28 29 30 31 32 34 35 36 38 39 41; U2 2 6 10 11 12 13 14 18 19 20 25 26 30 31; UJ1 A8 B8; UJ1#2 A8 B8; UJ1#3 A8 B8; UU1 10 13 14 15 16 17 18 19 20 21 22; UU1#2 10 13 14 15 16 17 18 19 20 21 22; UU1#3 10 13 14 15 16 17 18 19 20 21 22; UU3 4; UU3#2 4; UU3#3 4

## Via types
v1: diameter 0.9, hole 0.5, Front to Back, 111 vias
v2: diameter 0.7, hole 0.3, Front to Back, 252 vias
